# Altium PCB NG2094.PcbDoc (part 2 of 3)
Units mm, origin at the board's own origin, x right, y up, seen from the top; angles counter-clockwise.
Board outline 90 x 30.3 mm, 6 copper layers (Top Layer, Inner Layer 1, Ground 1, Inner Layer 2, Ground 2, Bottom Layer), stack 1.576 mm thick; 164 components, 128 nets, 718 pads, 672 vias.
Unrouted connection lines stored in the file: 11.
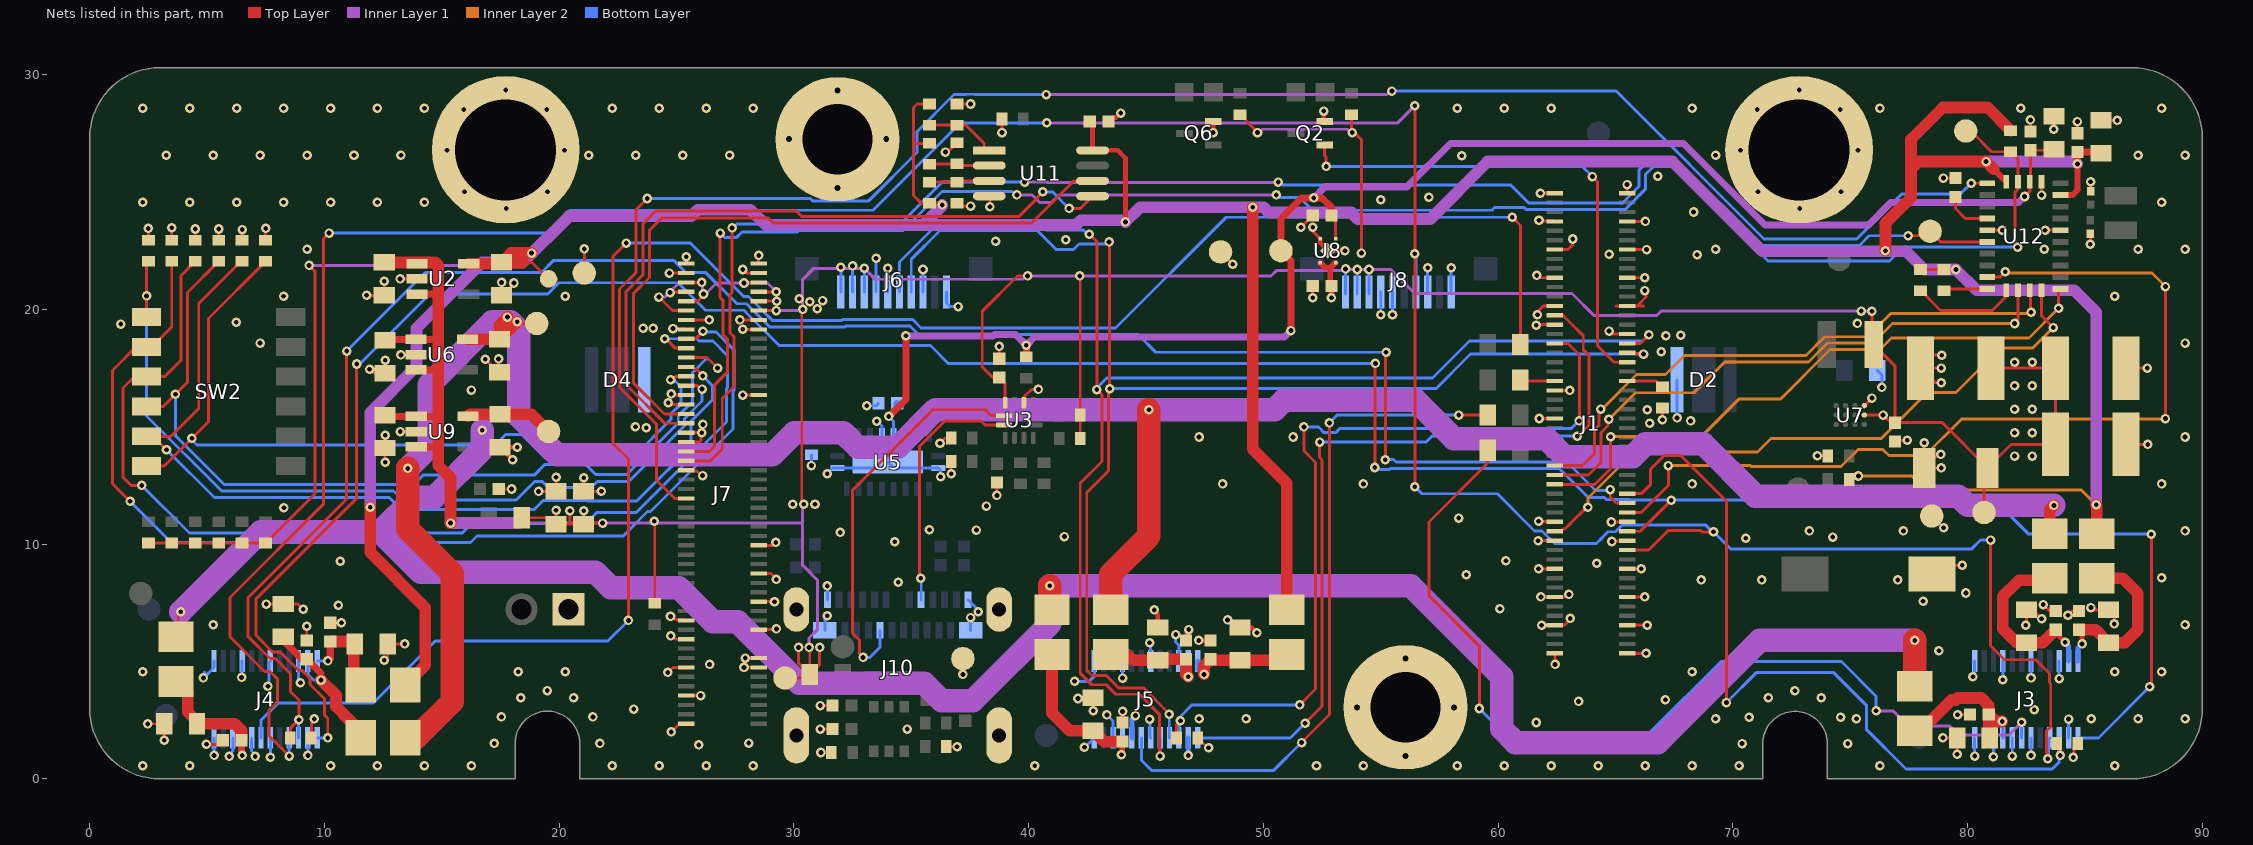
[diagram p6: the nets of this part, all layers, seen from the top]

## Part data (continued)
R78: library part ERJ-2RKF1782X, "RES SMD 17.8K OHM 1% 1/10W 0402 17.8 kOhms ±1% 0.1W, 1/10W Chip Resistor 0402 (1005 Metric) Automotive AEC-Q200 Thick Film", Case Code (Imperial)=0402, Case Code (Metric)=1005, Manufacturer 1=Panasonic, Max Operating Temperature=155°C, Max Power Dissipation=100mW, Min Operating Temperature=-55°C, Package Quantity=1, Resistance=17.8kR, Supplier Part Number 1=P17.8KLCT-ND, Temperature Coefficient=100ppm/°C, Tolerance=1%, Voltage Rating=50V, Case/Package=0402, ComponentLink1Description=https://datasheet.ciiva.com/24027/aoa0000ce2-24027013.pdf?src-supplier=Mouser, ComponentLink1URL=https://datasheet.ciiva.com/24027/aoa0000ce2-24027013.pdf?src-supplier=Mouser, ComponentLink2Description=https://datasheet.ciiva.com/46372/1678782-46372997.pdf?src-supplier=Element14, ComponentLink2URL=https://datasheet.ciiva.com/46372/1678782-46372997.pdf?src-supplier=Element14, ComponentLink3Description=https://datasheet.ciiva.com/28594/1694929-28594534.pdf?src-supplier=Element14, ComponentLink3URL=https://datasheet.ciiva.com/28594/1694929-28594534.pdf?src-supplier=Element14, ComponentLink4Description=https://datasheet.ciiva.com/46372/1678782-46372998.pdf?src-supplier=Element14, ComponentLink4URL=https://datasheet.ciiva.com/46372/1678782-46372998.pdf?src-supplier=Element14, ComponentLink5Description=https://datasheet.ciiva.com/22764/1678782-22764807.pdf?src-supplier=Farnell, ComponentLink5URL=https://datasheet.ciiva.com/22764/1678782-22764807.pdf?src-supplier=Farnell, ComponentLink6Description=https://datasheet.ciiva.com/16769/70260748-16769816.pdf?src-supplier=Allied+Electronics, ComponentLink6URL=https://datasheet.ciiva.com/16769/70260748-16769816.pdf?src-supplier=Allied+Electronics, ComponentLink7Description=https://datasheet.ciiva.com/30116/aoa0000ce2-30116554.pdf?src-supplier=Onlinecomponents.com, ComponentLink7URL=https://datasheet.ciiva.com/30116/aoa0000ce2-30116554.pdf?src-supplier=Onlinecomponents.com, ComponentLink8Description=https://datasheet.ciiva.com/16775/70260748-16775211.pdf?src-supplier=Allied+Electronics, ComponentLink8URL=https://datasheet.ciiva.com/16775/70260748-16775211.pdf?src-supplier=Allied+Electronics, ComponentLink9Description=https://datasheet.ciiva.com/43467/1678782-43467419.pdf?src-supplier=Farnell, ComponentLink9URL=https://datasheet.ciiva.com/43467/1678782-43467419.pdf?src-supplier=Farnell, ComponentLink10Description=https://datasheet.ciiva.com/22668/1678782-22668623.pdf?src-supplier=Element14, ComponentLink10URL=https://datasheet.ciiva.com/22668/1678782-22668623.pdf?src-supplier=Element14, Composition="Thick Film", Contact Plating=Tin, Depth=0.5mm, Features="Automotive AEC-Q200", Height=0.35mm, Lead Free="Lead Free", Length=1mm, Manufacturer Part Number 1=ERJ-2RKF1782X, Military Standard=Not, Mount="Surface Mount", Number of Terminations=2, Packaging="Tape and Reel", Power Rating=100mW, Pricing 1="1=0.10000, 10=0.04500, 100=0.01830, 1000=0.00823, 2500=0.00715, 5000=0.00590 (USD)", REACH SVHC=Unknown, RoHS=Yes, Stock 1=250542, Supplier 1=Digi-Key, Termination=SMD/SMT, Voltage Rating (DC)=50V, Width=0.02inch
SW1: library part DTSM-32N-V, "SWITCH TACTILE SMT 3.5mm * 6mm , brown 160gf", Manufacturer 1=Diptronics, Manufacturer Part Number 1=DTSM-32N-V-T/R, Max Operating Temperature=80°C, Min Operating Temperature=-30°C, Supplier Part Number 1=113-DTSM32NVTR, ComponentLink1Description=https://datasheet.ciiva.com/29188/708548-da-01-en-tastschalter-smd-dtsm-32n-v-tr-1600st-29188823.pdf?src-supplier=Conrad, ComponentLink1URL=https://datasheet.ciiva.com/29188/708548-da-01-en-tastschalter-smd-dtsm-32n-v-tr-1600st-29188823.pdf?src-supplier=Conrad, Height=5mm, Length=6mm, Pricing 1="1=0.38000, 10=0.38000, 50=0.31000, 100=0.28200, 500=0.25600, 1000=0.23600, 1600=0.20900, 4800=0.18800, 9600=0.17300, 10000=0.17300, 24000=0.16100 (USD)", RoHS=Yes, Stock 1=3199, Supplier 1=Mouser, Width=3.5mm
SW2: library part A6H-6102, "SWITCH SLIDE DIP SPST 25MA 24V (SEALED)", Case/Package=DIP, Contact Resistance=200mR, Current Rating=25mA, Manufacturer 1=Omron, Max Operating Temperature=70°C, Max Voltage Rating (DC)=24V, Min Operating Temperature=-20°C, Package Quantity=54, Supplier Part Number 1=SW1117-ND, Actuator Length=0mm, Actuator Type="Slide (Standard)", ComponentLink1Description=https://datasheet.ciiva.com/26883/getdatasheetpartid-744653-26883354.pdf?src-supplier=Verical, ComponentLink1URL=https://datasheet.ciiva.com/26883/getdatasheetpartid-744653-26883354.pdf?src-supplier=Verical, ComponentLink2Description=https://datasheet.ciiva.com/2864/a6h-1110-2864768.pdf?src-supplier=Digi-Key, ComponentLink2URL=https://datasheet.ciiva.com/2864/a6h-1110-2864768.pdf?src-supplier=Digi-Key, ComponentLink3Description=https://datasheet.ciiva.com/1529/611565-1529044.pdf?src-supplier=Element14, ComponentLink3URL=https://datasheet.ciiva.com/1529/611565-1529044.pdf?src-supplier=Element14, ComponentLink4Description=https://datasheet.ciiva.com/16198/a6h-1110-16198863.pdf?src-supplier=Onlinecomponents.com, ComponentLink4URL=https://datasheet.ciiva.com/16198/a6h-1110-16198863.pdf?src-supplier=Onlinecomponents.com, Depth=6.7mm, Electrical Life=1000Cycles, Height=1.55mm, Length=0.348inch, Manufacturer Part Number 1=A6H-6102, Max Current Rating=25mA, Mechanical Life=1000Cycles, Mount="Surface Mount", Number of Circuits=6, Number of Poles=4, Number of Positions=6, Orientation=Straight, Packaging=Rail/Tube, Pitch=0.05inch, Pricing 1="1=2.66000, 10=2.57900, 25=2.44640, 50=2.28700, 100=2.23380, 250=1.91468, 500=1.86148, 1000=1.59555, 5000=1.46259 (USD)", Radiation Hardening=No, REACH SVHC=Unknown, RoHS=Yes, Stock 1=3953, Supplier 1=Digi-Key, Supplier 2=Mouser, Supplier 3=Farnell, Supplier Part Number 2=653-A6H-6102, Supplier Part Number 3=1829491, Terminal Pitch=1.27mm, Termination="Gull Wing", Throw Configuration=SPST, Voltage Rating (DC)=24V, Washable=Yes, Weight=0.12g, Width=4.5mm
TP1 TP2 TP3 TP4 TP6 TP7 TP12 TP15 TP16 TP18 TP19 TP25 TP26 TP28 TP29 TP35 TP39: library part TEST_POINT
U2: "IC REG LINEAR 1.8V 200MA SC70-5 Linear Voltage Regulator IC  1 Output  200mA SC-70-5", Case/Package=SC, Dropout Voltage=175mV, Manufacturer 1="Texas Instruments", Manufacturer Part Number 1=TLV70018DCKR, Manufacturer Part Number 2=TLV70018DCKT, Max Input Voltage=5.5V, Max Operating Temperature=125°C, Max Output Current=200mA, Max Output Voltage=1.8V, Max Power Dissipation=320mW, Min Current Limit=220mA, Min Input Voltage=2V, Min Operating Temperature=-40°C, Nominal Supply Current=31uA, Output Voltage Accuracy=2%, Package Quantity=1, Quiescent Current=30uA, Supplier Part Number 1=296-32409-1-ND, Accuracy=2%, ComponentLink1Description=https://datasheet.ciiva.com/41462/001014631-da-01-en-ic-reg-ldo-1-8v-0-tlv70018dckr-sot-5-tid-41462480.pdf?src-supplier=Conrad, ComponentLink1URL=https://datasheet.ciiva.com/41462/001014631-da-01-en-ic-reg-ldo-1-8v-0-tlv70018dckr-sot-5-tid-41462480.pdf?src-supplier=Conrad, ComponentLink2Description=https://datasheet.ciiva.com/22700/1882059-22700171.pdf?src-supplier=Element14, ComponentLink2URL=https://datasheet.ciiva.com/22700/1882059-22700171.pdf?src-supplier=Element14, ComponentLink3Description=https://datasheet.ciiva.com/14149/tlv700-eng-ds-14149837.pdf?src-supplier=Distrelec, ComponentLink3URL=https://datasheet.ciiva.com/14149/tlv700-eng-ds-14149837.pdf?src-supplier=Distrelec, ComponentLink4Description=https://datasheet.ciiva.com/7992/1882059-7992894.pdf?src-supplier=Element14, ComponentLink4URL=https://datasheet.ciiva.com/7992/1882059-7992894.pdf?src-supplier=Element14, Contact Plating=Gold, Height=1mm, Lead Free="Lead Free", Length=2.15mm, Manufacturer 2="Texas Instruments", Min Output Voltage=1.8V, Nominal Output Voltage=1.8V, Number of Outputs=1, Number of Pins=5, Number of Regulators=1, Output Current=200mA, Output Type=Fixed, Output Voltage=1.8V, Packaging="Tape and Reel", Polarity=Positive, Power Dissipation=320mW, Power Rating=320mW, Pricing 1="1=0.48000, 10=0.40900, 100=0.30570, 500=0.24020, 1000=0.18561 (USD)", Pricing 2="1=0.55000, 10=0.46700, 100=0.34900 (USD)", Radiation Hardening=No, REACH SVHC="No SVHC", RoHS=Yes, Stock 1=63905, Stock 2=13188, Supplier 1=Digi-Key, Supplier 2=Digi-Key, Supplier Part Number 2=296-25269-1-ND, Width=1.4mm
U3: library part TUSB321RWBR, "IC USB PORT CONTROL TYPE-C 12X2Q", Manufacturer 1="Texas Instruments", Max Operating Temperature=70°C, Max Supply Voltage=5.5V, Min Operating Temperature=0°C, Min Supply Voltage=4.5V, Supplier Part Number 1=296-42400-1-ND, ComponentLink1Description=http://www.ti.com/general/docs/lit/getliterature.tsp?genericPartNumber=TUSB321&&fileType=pdf&src-supplier=Avnet+Asia, ComponentLink1URL=http://www.ti.com/general/docs/lit/getliterature.tsp?genericPartNumber=TUSB321&&fileType=pdf&src-supplier=Avnet+Asia, ComponentLink2Description=http://www.ti.com/general/docs/lit/getliterature.tsp?genericPartNumber=TUSB321&&fileType=pdf&src-supplier=Farnell, ComponentLink2URL=http://www.ti.com/general/docs/lit/getliterature.tsp?genericPartNumber=TUSB321&&fileType=pdf&src-supplier=Farnell, ComponentLink3Description=http://www.ti.com/lit/ds/symlink/tusb321.pdf?src-supplier=Digi-Key, ComponentLink3URL=http://www.ti.com/lit/ds/symlink/tusb321.pdf?src-supplier=Digi-Key, ComponentLink4Description=http://www.ti.com/general/docs/lit/getliterature.tsp?genericPartNumber=TUSB321&&fileType=pdf&src-supplier=Element14, ComponentLink4URL=http://www.ti.com/general/docs/lit/getliterature.tsp?genericPartNumber=TUSB321&&fileType=pdf&src-supplier=Element14, ComponentLink5Description=http://www.ti.com/general/docs/lit/getliterature.tsp?genericPartNumber=TUSB321&&fileType=pdf&src-supplier=Avnet, ComponentLink5URL=http://www.ti.com/general/docs/lit/getliterature.tsp?genericPartNumber=TUSB321&&fileType=pdf&src-supplier=Avnet, Contact Plating=Gold, Lead Free="Lead Free", Manufacturer Part Number 1=TUSB321RWBR, Mount="Surface Mount", Number of Pins=12, Number of Ports=1, Packaging="Tape and Reel", Pricing 1="1=2.27000, 10=2.04200, 100=1.64100, 500=1.34828, 1000=1.11714 (USD)", REACH SVHC="No SVHC", RoHS=Yes, Stock 1=7746, Supplier 1=Digi-Key, USB Standard="USB 3.1"
U5: library part HD3SS3212RKSR, "IC MUX 2:1 8 OHM 20VQFN", Case/Package=VQFN, Manufacturer 1="Texas Instruments", Max Operating Temperature=70°C, Max Supply Voltage=3.6V, Min Operating Temperature=0°C, Min Supply Voltage=3V, Supplier Part Number 1=296-42174-1-ND, Bandwidth=8GHz, ComponentLink1Description=http://www.ti.com/general/docs/lit/getliterature.tsp?genericPartNumber=HD3SS3212&&fileType=pdf&src-supplier=Avnet, ComponentLink1URL=http://www.ti.com/general/docs/lit/getliterature.tsp?genericPartNumber=HD3SS3212&&fileType=pdf&src-supplier=Avnet, ComponentLink2Description=http://www.ti.com/general/docs/lit/getliterature.tsp?genericPartNumber=HD3SS3212&amp;&amp;fileType=pdf&src-supplier=Farnell, ComponentLink2URL=http://www.ti.com/general/docs/lit/getliterature.tsp?genericPartNumber=HD3SS3212&amp;&amp;fileType=pdf&src-supplier=Farnell, ComponentLink3Description=http://www.ti.com/lit/ds/symlink/hd3ss3212.pdf?src-supplier=Digi-Key, ComponentLink3URL=http://www.ti.com/lit/ds/symlink/hd3ss3212.pdf?src-supplier=Digi-Key, ComponentLink4Description=http://www.ti.com/lit/gpn/hd3ss3212?src-supplier=Mouser, ComponentLink4URL=http://www.ti.com/lit/gpn/hd3ss3212?src-supplier=Mouser, ComponentLink5Description=http://www.ti.com/general/docs/lit/getliterature.tsp?genericPartNumber=HD3SS3212&&fileType=pdf&src-supplier=Element14, ComponentLink5URL=http://www.ti.com/general/docs/lit/getliterature.tsp?genericPartNumber=HD3SS3212&&fileType=pdf&src-supplier=Element14, Data Rate=480Mbps, Lead Free="Lead Free", Manufacturer Part Number 1=HD3SS3212RKSR, Mount=Standard, Number of Pins=20, Number of Ports=3, Packaging="Tape and Reel", Pricing 1="1=1.79000, 10=1.61000, 100=1.29440, 500=1.06348, 1000=0.88117 (USD)", REACH SVHC="No SVHC", RoHS=Yes, Stock 1=36674, Supplier 1=Digi-Key, USB Standard="USB 3.1"
U6: "IC REG LINEAR 1.2V 200MA SC70-5", Case/Package=SC, Dropout Voltage=175mV, Manufacturer 1="Texas Instruments", Manufacturer Part Number 1=TLV70012DCKR, Manufacturer Part Number 2=TLV70012DCKT, Max Input Voltage=5.5V, Max Operating Temperature=125°C, Max Output Current=200mA, Max Output Voltage=1.2V, Max Power Dissipation=320mW, Min Current Limit=220mA, Min Input Voltage=2V, Min Operating Temperature=-40°C, Output Voltage Accuracy=2%, Package Quantity=1, Quiescent Current=30uA, Supplier Part Number 1=296-27438-1-ND, Accuracy=2%, ComponentLink1Description=https://datasheet.ciiva.com/26909/tlv70012dckr-26909420.pdf?src-supplier=IIIC, ComponentLink1URL=https://datasheet.ciiva.com/26909/tlv70012dckr-26909420.pdf?src-supplier=IIIC, ComponentLink2Description=https://datasheet.ciiva.com/46448/1836520-46448747.pdf?src-supplier=Element14, ComponentLink2URL=https://datasheet.ciiva.com/46448/1836520-46448747.pdf?src-supplier=Element14, ComponentLink3Description=http://components.arrow.com/part/dataview/48874348S9524109N7713?src-supplier=Arrow, ComponentLink3URL=http://components.arrow.com/part/dataview/48874348S9524109N7713?src-supplier=Arrow, ComponentLink4Description=http://components.arrow.com/part/dataview/0323_02210905?src-supplier=Arrow+Europe, ComponentLink4URL=http://components.arrow.com/part/dataview/0323_02210905?src-supplier=Arrow+Europe, ComponentLink5Description=http://www.ti.com/general/docs/lit/getliterature.tsp?genericPartNumber=TLV700&&fileType=pdf&src-supplier=Avnet, ComponentLink5URL=http://www.ti.com/general/docs/lit/getliterature.tsp?genericPartNumber=TLV700&&fileType=pdf&src-supplier=Avnet, ComponentLink6Description=http://focus.ti.com/lit/ds/symlink/tlv70033.pdf?src-supplier=Avnet, ComponentLink6URL=http://focus.ti.com/lit/ds/symlink/tlv70033.pdf?src-supplier=Avnet, ComponentLink7Description=http://www.ti.com/lit/ds/slvsa00e/slvsa00e.pdf?src-supplier=Digi-Key, ComponentLink7URL=http://www.ti.com/lit/ds/slvsa00e/slvsa00e.pdf?src-supplier=Digi-Key, ComponentLink8Description=http://www.ti.com/litv/slvsa00d?src-supplier=Mouser, ComponentLink8URL=http://www.ti.com/litv/slvsa00d?src-supplier=Mouser, Contact Plating=Gold, Lead Free="Lead Free", Manufacturer 2="Texas Instruments", Min Output Voltage=1.2V, Nominal Output Voltage=1.2V, Number of Outputs=1, Number of Pins=5, Number of Regulators=1, Output Current=200mA, Output Type=Fixed, Output Voltage=1.2V, Packaging="Tape and Reel", Polarity=Positive, Power Dissipation=320mW, Pricing 1="1=0.48000, 10=0.40900, 100=0.30570, 500=0.24020, 1000=0.18561 (USD)", Pricing 2="1=0.43000, 10=0.38000, 25=0.35000, 100=0.30000, 250=0.27000, 500=0.21000, 750=0.16000, 1000=0.14000 (USD)", Radiation Hardening=No, REACH SVHC="No SVHC", RoHS=Yes, Stock 1=8389, Stock 2=250, Supplier 1=Digi-Key, Supplier 2="TI store", Supplier Part Number 2=TLV70012DCKT
U7: library part LM3644, "LED Driver, 2-Segment, PBGA12", Manufacturer 1="Texas Instruments", Max Operating Temperature=85°C, Max Supply Voltage=5.5V, Min Operating Temperature=-40°C, Min Supply Voltage=2.5V, Package Body Material=Plastic, Package Code=VFBGA, Package Shape=Rectangular, Package Style="GRID ARRAY, VERY THIN PROFILE, FINE PITCHMeter", Peak Reflow Temperature (Cel)=260°C, Supply Voltage-Nom=3.6V, Temperature Grade=INDUSTRIAL, Category="LED Drivers", ComponentLink1Description=https://www.ti.com:443/lit/ds/symlink/lm3644.pdf?src-supplier=IHS+Markit, ComponentLink1URL=https://www.ti.com:443/lit/ds/symlink/lm3644.pdf?src-supplier=IHS+Markit, ComponentLink2Description=https://datasheet.ciiva.com/48475/lm3644-48475318.pdf?src-supplier=Avnet, ComponentLink2URL=https://datasheet.ciiva.com/48475/lm3644-48475318.pdf?src-supplier=Avnet, Data Input Mode=SERIAL, Height - Seated (Max)=0.625mm, Interface IC Type="LED DISPLAY DRIVER", JESD-609 Code=e1, Length=1.66mm, Manufacturer Part Number 1=LM3644YFFR, Moisture Sensitivity Level=1, Multiplexed Display Capability=No, Number of Functions=1, Number of Pins=12, Number of Segments=2, Pricing 1="1=0,64580, 10=0,63600, 25=0,62590, 100=0,61590, 250=0,60610, 500=0,59600, 1000=0,58600, 3000=0,35000, 30000=0,34520, 300000=0,31610, 1500000=0,29870, 3000000=0,29850 (USD)", REACH SVHC=Yes, RoHS=Yes, RoHS Compliant=Yes, Stock 1=2033, Supplier 1="Arrow Electronics", Supplier Part Number 1=LM3644YFFR, Surface Mount=Yes, Terminal Finish=Copper, Terminal Form=Ball, Terminal Pitch=0.4mm, Terminal Position=BOTTOM, Width=1.28mm
U8: "IC REG LINEAR 3.3V 200MA 4X2SON Linear Voltage Regulator IC  1 Output  200mA 4-X2SON (1x1)", Dropout Voltage=250mV, Manufacturer 1="Texas Instruments", Manufacturer Part Number 1=TLV70710DQN, Max Operating Temperature=125°C, Min Current Limit=240mA, Min Operating Temperature=-40°C, Output Current=200mA, Output Voltage=1V, Package Quantity=3000, Quiescent Current=25uA, Supplier Part Number 1=296-37706-1-ND, ComponentLink1Description=http://www.ti.com/lit/gpn/tlv707?src-supplier=Mouser, ComponentLink1URL=http://www.ti.com/lit/gpn/tlv707?src-supplier=Mouser, ComponentLink2Description=http://www.ti.com/lit/ds/symlink/tlv707.pdf?src-supplier=Digi-Key, ComponentLink2URL=http://www.ti.com/lit/ds/symlink/tlv707.pdf?src-supplier=Digi-Key, Lead Free="Lead Free", Mount="Surface Mount", Number of Regulators=1, Packaging="Tape and Reel", RoHS=Yes, Supplier 1=Digi-Key, Supplier 2=Digi-Key, Supplier Part Number 2=296-28355-1-ND
U9: "IC REG LINEAR 2.8V 200MA SC70-5 Linear Voltage Regulator IC  1 Output  200mA SC-70-5", Case/Package=SC, Dropout Voltage=175mV, Manufacturer 1="Texas Instruments", Manufacturer Part Number 1=TLV70028DCKT, Manufacturer Part Number 2=TLV70028DCKR, Max Input Voltage=5.5V, Max Operating Temperature=125°C, Max Output Current=200mA, Max Output Voltage=2.8V, Max Power Dissipation=320mW, Min Current Limit=220mA, Min Input Voltage=2V, Min Operating Temperature=-40°C, Nominal Supply Current=31uA, Output Voltage Accuracy=2%, Package Quantity=1, Quiescent Current=30uA, Supplier Part Number 1=296-39279-1-ND, Accuracy=2%, ComponentLink1Description=https://datasheet.ciiva.com/14149/tlv700-eng-ds-14149840.pdf?src-supplier=Distrelec, ComponentLink1URL=https://datasheet.ciiva.com/14149/tlv700-eng-ds-14149840.pdf?src-supplier=Distrelec, ComponentLink2Description=https://datasheet.ciiva.com/22700/1882059-22700172.pdf?src-supplier=Element14, ComponentLink2URL=https://datasheet.ciiva.com/22700/1882059-22700172.pdf?src-supplier=Element14, ComponentLink3Description=http://components.arrow.com/part/dataview/0323_00585634?src-supplier=Arrow+Europe, ComponentLink3URL=http://components.arrow.com/part/dataview/0323_00585634?src-supplier=Arrow+Europe, ComponentLink4Description=http://focus.ti.com/lit/ds/symlink/tlv70033.pdf?src-supplier=Avnet+Europe, ComponentLink4URL=http://focus.ti.com/lit/ds/symlink/tlv70033.pdf?src-supplier=Avnet+Europe, ComponentLink5Description=http://www.ti.com/lit/ds/slvsa00d/slvsa00d.pdf?src-supplier=Digi-Key, ComponentLink5URL=http://www.ti.com/lit/ds/slvsa00d/slvsa00d.pdf?src-supplier=Digi-Key, ComponentLink6Description=http://www.ti.com/lit/pdf/slyy050?src-supplier=Digi-Key, ComponentLink6URL=http://www.ti.com/lit/pdf/slyy050?src-supplier=Digi-Key, ComponentLink7Description=http://www.ti.com/general/docs/lit/getliterature.tsp?genericPartNumber=TLV700&&fileType=pdf&src-supplier=Avnet+Asia, ComponentLink7URL=http://www.ti.com/general/docs/lit/getliterature.tsp?genericPartNumber=TLV700&&fileType=pdf&src-supplier=Avnet+Asia, ComponentLink8Description=http://www.ti.com/general/docs/lit/getliterature.tsp?genericPartNumber=TLV700&&fileType=pdf&src-supplier=Avnet, ComponentLink8URL=http://www.ti.com/general/docs/lit/getliterature.tsp?genericPartNumber=TLV700&&fileType=pdf&src-supplier=Avnet, ComponentLink9Description=http://components.arrow.com/part/dataview/48329233S8322732N7713?src-supplier=Arrow, ComponentLink9URL=http://components.arrow.com/part/dataview/48329233S8322732N7713?src-supplier=Arrow, ComponentLink10Description=http://www.ti.com/litv/slvsa00d?src-supplier=Mouser, ComponentLink10URL=http://www.ti.com/litv/slvsa00d?src-supplier=Mouser, ComponentLink11Description=http://www.ti.com/lit/ds/slvsa00e/slvsa00e.pdf?src-supplier=Digi-Key, ComponentLink11URL=http://www.ti.com/lit/ds/slvsa00e/slvsa00e.pdf?src-supplier=Digi-Key, Contact Plating=Gold, Height=1mm, Lead Free="Lead Free", Length=2.15mm, Manufacturer 2="Texas Instruments", Max Supply Voltage=5.5V, Min Output Voltage=2.8V, Min Supply Voltage=2V, Nominal Output Voltage=2.8V, Number of Outputs=1, Number of Pins=5, Number of Regulators=1, Output Current=200mA, Output Type=Fixed, Output Voltage=2.8V, Packaging="Tape and Reel", Polarity=Positive, Power Dissipation=320mW, Power Rating=320mW, Pricing 1="1=0.55000, 10=0.46700, 100=0.34900 (USD)", Pricing 2="1=0.48000, 10=0.40900, 100=0.30570, 500=0.24020, 1000=0.18561 (USD)", Radiation Hardening=No, REACH SVHC="No SVHC", RoHS=Yes, Stock 1=832, Stock 2=30013, Supplier 1=Digi-Key, Supplier 2=Digi-Key, Supplier Part Number 2=296-25271-1-ND, Termination=SMD/SMT, Width=1.4mm
U11: library part 24AA32A-I/MS, "IC EEPROM 32K I2C 400KHZ 8MSOP Memory IC 32Kb (4K x 8) I²C 400kHz 900ns 8-MSOP", Case/Package=MSOP, Frequency=400kHz, Manufacturer 1=Microchip, Max Operating Temperature=85°C, Max Supply Voltage=5.5V, Min Operating Temperature=-40°C, Min Supply Voltage=1.7V, Nominal Supply Current=3mA, Package Quantity=100, Supplier Part Number 1=24AA32A-I/MS-ND, Access Time=3500ns, ComponentLink1Description=https://datasheet.ciiva.com/16309/filehandler-aspxddocname-en011853-16309808.pdf?src-supplier=Future+Electronics, ComponentLink1URL=https://datasheet.ciiva.com/16309/filehandler-aspxddocname-en011853-16309808.pdf?src-supplier=Future+Electronics, ComponentLink2Description=https://datasheet.ciiva.com/16621/21713l-16621382.pdf?src-supplier=Avnet+Europe, ComponentLink2URL=https://datasheet.ciiva.com/16621/21713l-16621382.pdf?src-supplier=Avnet+Europe, ComponentLink3Description=https://datasheet.ciiva.com/3185/21713l-3185209.pdf?src-supplier=Avnet, ComponentLink3URL=https://datasheet.ciiva.com/3185/21713l-3185209.pdf?src-supplier=Avnet, ComponentLink4Description=https://datasheet.ciiva.com/1154/1688094-1154810.pdf?src-supplier=Element14, ComponentLink4URL=https://datasheet.ciiva.com/1154/1688094-1154810.pdf?src-supplier=Element14, ComponentLink5Description=https://datasheet.ciiva.com/41454/001085239-da-01-en-ic-eeprom-32kbit-24aa32a-i-ms-msop-8-mcp-41454934.pdf?src-supplier=Conrad, ComponentLink5URL=https://datasheet.ciiva.com/41454/001085239-da-01-en-ic-eeprom-32kbit-24aa32a-i-ms-msop-8-mcp-41454934.pdf?src-supplier=Conrad, Contact Plating=Tin,Matte, Density=32Kb, Height=0.85mm, Interface=I2C,Serial,2-Wire, Lead Free="Lead Free", Length=3mm, Manufacturer Part Number 1=24AA32A-I/MS, Max Frequency=400kHz, Memory Size=32Kb, Memory Type=EEPROM, Mount="Surface Mount", Number of Pins=8, Packaging=Rail/Tube, Pricing 1="1=0.39000, 25=0.38120, 100=0.36050 (USD)", Radiation Hardening=No, REACH SVHC="No SVHC", RoHS=Yes, Stock 1=4213, Supplier 1=Digi-Key, Supplier 2=Mouser, Supplier 3=Newark, Supplier Part Number 2=579-24AA32A-I/MS, Supplier Part Number 3=38AH9658, Width=3mm
U12: "IMU ACCEL/GYRO/MAG I2C 32BIT", Case/Package=LGA, Manufacturer 1="Hillcrest Laboratories", Max Operating Temperature=85°C, Min Operating Temperature=-40°C, Supplier Part Number 1=1888-1006-1-ND, Category="Inertial Measurement Units (IMUs)", ComponentLink1Description=https://www.hillcrestlabs.com/downloads/bno080-datasheet?src-supplier=Digi-Key, ComponentLink1URL=https://www.hillcrestlabs.com/downloads/bno080-datasheet?src-supplier=Digi-Key, ComponentLink2Description=https://www.hillcrestlabs.com/downloads/bno080-migration-guide?src-supplier=Digi-Key, ComponentLink2URL=https://www.hillcrestlabs.com/downloads/bno080-migration-guide?src-supplier=Digi-Key, Manufacturer Part Number 1=BNO085, Mount="Surface Mount", Output Type=SPI,I2C, Packaging="Tape and Reel", Pricing 1="1=11.85000, 5=10.31200, 10=9.28100, 25=8.25000, 50=7.63120, 100=6.60000, 500=6.18750, 1000=5.77500 (USD)", RoHS=No, Sensor Type=Accelerometer,Gyroscope,Magnetometer, Stock 1=11593, Supplier 1=Digi-Key
Y1: "CRYSTAL 32.768kHz ±20ppm Crystal 12.5pF 90 kOhms 2-SMD, No Lead", Case/Package=SMD/SMT, ESR (Equivalent Series Resistance)=90kR, Frequency=32.768kHz, Frequency Tolerance=20ppm, Load Capacitance=12.5pF, Manufacturer 1=Abracon, Max Operating Temperature=85°C, Min Operating Temperature=-40°C, Supplier Part Number 1=535-14513-1-ND, ComponentLink1Description=http://www.farnell.com/datasheets/2614114.pdf?src-supplier=Farnell, ComponentLink1URL=http://www.farnell.com/datasheets/2614114.pdf?src-supplier=Farnell, ComponentLink2Description=https://abracon.com/datasheets/ABS06-127-32.768kHz-T.pdf?src-supplier=Digi-Key, ComponentLink2URL=https://abracon.com/datasheets/ABS06-127-32.768kHz-T.pdf?src-supplier=Digi-Key, ComponentLink3Description=http://www.farnell.com/datasheets/2614114.pdf?src-supplier=Newark, ComponentLink3URL=http://www.farnell.com/datasheets/2614114.pdf?src-supplier=Newark, Manufacturer Part Number 1=ABS06-127-32.768KHZ-T, Mount="Surface Mount", Packaging="Tape and Reel", Pricing 1="1=0.69000, 10=0.60700, 50=0.56760, 100=0.50160, 500=0.47520, 1000=0.39600 (USD)", RoHS=Yes, Stock 1=1640, Supplier 1=Digi-Key, Supplier 2=Digi-Key, Supplier 3=Mouser, Supplier 4=Verical, Supplier Part Number 2=535-14513-6-ND, Supplier Part Number 3=815-ABS0612732.768KT, Supplier Part Number 4=ABS06-127-32.768KHZ-T

## Free pads (board coordinates)
  round 6.3 / inner round 5.5 / far side round 6.3 hole 4.3 unplated: 4(17.725,26.8) 4(72.825,26.8)

## Via types
v1: diameter 0.406, hole 0.203, Top Layer to Bottom Layer, tented both sides, 664 vias
v2: diameter 0.508, hole 0.254, Top Layer to Bottom Layer, 8 vias

## Nets (pads, with @x,y where several pads share a name; then routed paths per layer and width w, separated by ;. In a path a pad name is that pad's centre, name@x,y a point inside that pad or via, vN(x,y) a via of type N, cw(c..) or ccw(c..) an arc to the next point about the centre after c; other vN are vias at no path point)
1V2: C33.2 FB7.1 FB10.1 FB14.1 TP12.1 U6.5 | length 110.8
  Top Layer w0.125: v1@18.214,19.386 v1(18.214,19.475) ; v1@18.29,19.475 18.365,19.4 TP12.1@19.05,19.4
  Top Layer w0.5: U6.5@16.1,18.725 C33.2@17.464,18.725 ; v1(17.8,19.675) 17.464,19.339 C33.2@17.464,18.725 ; v1(18.214,19.475) C33.2@17.464,18.725 ; FB10.1@83.5,10.45 83.5,11.475 v1(83.675,11.65)
  Top Layer w1: FB14.1@13.45,1.75 13.908,1.75 15.45,3.292 15.45,8.75 13.55,10.65 v1(13.55,13.225) ; FB7.1@43.5,7.2 43.5,8.725 45.125,10.35 v1(45.125,15.725)
  Inner Layer 1 w1: v1(13.55,13.225) 14.475,14.15 14.475,16.8 17.15,19.475 17.925,19.475 18.275,19.125 18.275,15.45 19.925,13.8 29.075,13.8 30.013,14.737 32.112,14.737 32.725,14.125 34.425,14.125 36.034,15.734 50.484,15.734 50.875,16.125 56.487,16.125 58.112,14.5 62.065,14.5 62.84,13.725 65.725,13.725 66.275,14.275 68.738,14.275 70.962,12.05 79.6,12.05 80,11.65 v1(83.675,11.65)
1V2_C: C71.2 C72.2 FB7.2 J5.2 | length 4.8
  Top Layer w0.5: FB7.2@43.5,5.3 44.2,5.3 44.45,5.05 C72.2@45.5,5.05 45.55,5.1 C71.2@46.7,5.1 46.7,4.452 v1(46.8,4.352)
  Bottom Layer w0.2: v1(46.8,4.352) J5.2@46.8,5.025
1V2_L: C85.2 C86.2 FB14.2 J4.2 | length 8.6
  Top Layer w0.125: v1@9.823,4.178 9.823,4.527 ; 10.65,2.65 FB14.2@11.55,1.75
  Top Layer w0.3: C86.2@8.25,6.05 8.25,5.9 9.05,5.1 C85.2@9.25,5.1 9.823,4.527 9.856,4.494 v1(9.856,4.212)
  Top Layer w0.5: v1(9.856,4.212) 10.5,3.568 10.5,3.084 11.55,2.034 FB14.2@11.55,1.75
  Bottom Layer w0.125: J4.2@9.3,5.025 9.3,4.452 9.541,4.212 v1(9.856,4.212)
1V2_R: C77.2 C78.2 FB10.2 J3.2 | length 8
  Top Layer w0.2: C77.2@83.75,6.35 83.75,6.225 v1(84.15,5.825)
  Top Layer w0.5: FB10.2@83.5,8.55 83.413,8.463 82.188,8.463 81.5,7.775 81.5,6.4 82.1,5.8 C78.2@82.5,5.8 83.2,5.8 C77.2@83.75,6.35
  Bottom Layer w0.2: v1(84.15,5.825) 84.3,5.675 J3.2@84.3,5.025
1V8: C18.2 C70.2 C93.2 C94.2 FB6.1 FB9.1 FB13.1 R2.2 R7.2 R8.2 R9.2 R10.2 R11.2 R14.2 R21.2 R22.2 R23.2 R43.2 R51.1 R54.1 TP1.1 U2.5 U11.8 U12.5 U12.28 | length 201
  Top Layer w0.125: R7.2@2.5,10.05 R8.2@3.5,10.05 R9.2@4.5,10.05 R10.2@5.5,10.05 R11.2@6.5,10.05 R14.2@7.5,10.05 9.6,12.15 9.6,21.625 v1(9.35,21.875) ; 18.45,22 18.85,22 TP1.1@19.55,21.3 ; R22.2@35.775,27.075 35.15,27.075 35.1,27.025 ; R21.2@35.775,28.75 35.25,28.75 35.1,28.6 35.1,27.025 ; v1(36.322,24.45) 36.247,24.525 R23.2@35.775,24.525 35.425,24.525 35.1,24.85 35.1,27.025 ; R2.2@74.95,12.75 75.103,12.903 v1(75.35,12.903) ; R54.1@78,21.7 R51.1@79,21.7 v1(79.5,21.7)
  Top Layer w0.2: C70.2@42.6,28 42.725,27.875 U11.8@42.725,26.775 43.8,26.775 44.125,26.45 v1(44.125,23.725)
  Top Layer w0.25: 81.117,25.967 U12.5@81.648,25.437 ; U12.28@83.96,24.874 84.474,24.874 84.675,25.075 v1(84.675,26.199)
  Top Layer w0.3: v1(84.675,26.199) C94.2@84.675,26.7 85.625,26.7 C93.2@85.675,26.65
  Top Layer w0.5: v1(11.95,11.569) 11.95,9.65 14.3,7.3 14.3,4.85 FB13.1@13.45,4 ; U2.5@16.15,21.95 C18.2@17.55,21.95 ; C18.2@17.55,22 17.95,22.4 v1(18.825,22.4) ; C18.2@17.65,22 18.45,22 ; v1(49.55,24.35) 49.55,14.05 51,12.6 FB6.1@51,7.2 ; v1(76.5,22.5) 76.5,23.675 77.588,24.763 77.588,25.963 ; 81.117,25.967 v1(80.784,26.3) 77.925,26.3 77.588,25.963 ; R43.2@81.832,27.617 80.849,28.6 78.95,28.6 77.588,27.237 77.588,25.963 ; v1(85.475,11.675) 85.5,11.65 FB9.1@85.5,10.45
  Inner Layer 1 w0.125: v1(9.35,21.875) 16.6,21.875
  Inner Layer 1 w0.5: v1(11.95,11.569) 11.95,15.6 13.925,17.575 13.925,19.2 16.6,21.875 16.725,22 18.45,22 20.425,23.975 25.625,23.975 25.9,24.25 28.15,24.25 28.8,23.6 35.5,23.6 ; v1(36.322,24.45) 36.322,24.422 35.5,23.6 ; v1(80.784,26.3) 84.574,26.3 v1(84.675,26.199) ; v1(85.475,11.675) 85.475,19.875 84.538,20.812 80.388,20.812 v1(79.5,21.7) 78.15,21.7 77.375,22.475 71.25,22.475 67.425,26.3 59.55,26.3 57.1,23.85 54.025,23.85 53.75,24.125 50.238,24.125 50.013,24.35 v1(49.55,24.35) 44.75,24.35 v1(44.125,23.725) 44.05,23.8 42.225,23.8 42.025,23.6 35.5,23.6
  Inner Layer 2 w0.125: v1(75.35,12.903) 77.622,12.903 78.225,12.3 84.85,12.3 v1(85.475,11.675)
1V8_C: C73.2 C74.2 FB6.2 J5.1 | length 4.8
  Top Layer w0.5: v1(47.475,4.453) 47.475,4.825 C73.2@47.75,5.1 47.8,5.05 C74.2@49,5.05 50.75,5.05 FB6.2@51,5.3
  Bottom Layer w0.2: J5.1@47.2,5.025 47.2,4.68 47.427,4.453 v1(47.475,4.453)
1V8_L: C87.2 C88.2 FB13.2 J4.1 | length 4.3
  Top Layer w0.3: v1(10.15,5.025) 10.25,5.125 C87.2@10.25,5.85
  Top Layer w0.5: C87.2@10.25,5.85 11.2,5.85 11.25,5.8 11.25,4.3 FB13.2@11.55,4
  Bottom Layer w0.125: J4.1@9.7,5.025 v1(10.15,5.025)
1V8_R: C79.2 C80.2 FB9.2 J3.1 | length 8
  Top Layer w0.2: C79.2@84.75,6.35 84.875,6.225 v1(84.875,5.75)
  Top Layer w0.5: C79.2@84.75,6.35 85.45,6.35 C80.2@86,5.8 86.7,5.8 87.25,6.35 87.25,7.9 86.6,8.55 FB9.2@85.5,8.55
  Bottom Layer w0.2: J3.1@84.7,5.025 84.7,5.575 v1(84.875,5.75)
2V8: C67.2 FB5.1 FB8.1 FB11.1 TP16.1 U9.5 | length 101.9
  Top Layer w0.125: FB11.1@3.675,6.05 3.775,6.15 3.775,7.227 v1(3.886,7.116)
  Top Layer w0.5: U9.5@16.114,15.446 16.199,15.531 C67.2@17.487,15.531 18.819,15.531 TP16.1@19.55,14.8
  Top Layer w1: v1(40.9,8.225) 40.9,7.3 FB5.1@41,7.2 ; FB8.1@77.75,3.95 v1(77.75,5.9)
  Inner Layer 1 w1: v1(3.886,7.116) 7.295,10.525 12.375,10.525 ; v1(16.725,14.85) 16.731,14.844 16.731,14.055 14.676,12 13.85,12 12.375,10.525 ; v1(77.75,5.9) 71.15,5.9 66.8,1.55 60.736,1.55 60.15,2.136 60.15,4.35 56.275,8.225 v1(40.9,8.225) 40.9,6.6 37.625,3.325 36.3,3.325 35.55,4.075 30.225,4.075 27.6,6.7 26.55,6.7 25.1,8.15 22.2,8.15 21.55,8.8 14.1,8.8 12.375,10.525
2V8_C: C75.2 C76.2 FB5.2 J5.16 | length 7.3
  Top Layer w0.2: v1(43.956,1.027) 43.978,1.049 C75.2@43.978,1.578
  Top Layer w0.5: FB5.2@41,5.3 41,2.8 41.75,2.05 C76.2@42.75,2.05 43.222,1.578 C75.2@43.978,1.578
  Bottom Layer w0.2: v1(43.956,1.027) 43.985,1.056 43.985,1.73 J5.16@44,1.745
2V8_L: C89.2 C90.2 FB11.2 J4.16 | length 6.1
  Top Layer w0.3: C89.2@6.475,1.65 6.475,1.025 v1(6.5,1)
  Top Layer w0.5: FB11.2@3.675,4.15 3.775,4.15 4.175,3.75 4.175,2.85 4.575,2.45 C90.2@4.575,2.35 6.175,2.35 6.475,2.05 C89.2@6.475,1.65
  Bottom Layer w0.125: v1(6.5,1) J4.16@6.5,1.745
2V8_R: C81.2 C84.2 FB8.2 J3.16 | length 6.6
  Top Layer w0.5: FB8.2@77.816,2.05 78,2.05 79.31,3.36 79.495,3.36 79.585,3.45 80.575,3.45 80.9,3.125 C81.2@80.9,2.75 ; C84.2@80.95,1.75 80.9,1.8 C81.2@80.9,2.75 ; v1(81.475,2.45) 81.2,2.45 C81.2@80.9,2.75
  Bottom Layer w0.125: v1(81.475,2.45) 81.5,2.425 J3.16@81.5,1.745
3V3: C62.2 C63.2 C91.2 C92.2 R58.2 TP15.1 U5.6 U8.1 U12.3 | length 68.1
  Top Layer w0.125: C63.2@52.9,24 53.08,23.82 U8.1@53.08,23.01 ; v1(82.425,24.81) 82.648,25.033 U12.3@82.648,25.437 82.673,25.462 C92.2@82.673,26.779 83.623,26.779 C91.2@83.673,26.829
  Top Layer w0.3: v1(34.047,15.44) 34.775,16.169 v1(34.775,18.875) ; R58.2@39.9,17.975 v1(39.9,18.475) ; v1(51.175,19.1) 51.175,22.075 TP15.1@50.75,22.5 50.75,23.875 51.625,24.75 v1(52.15,24.75) 52.5,24.75 52.9,24.35 C63.2@52.9,24
  Inner Layer 1 w0.3: v1(34.775,18.875) 38.489,18.875 38.542,18.928 39.447,18.928 v1(39.9,18.475) 40.25,18.825 50.9,18.825 v1(51.175,19.1) ; v1(52.15,24.75) 52.625,25.225 56.125,25.225 57.975,27.075 67.9,27.075 71.375,23.6 75.775,23.6 76.725,24.55 82.165,24.55 v1(82.425,24.81)
  Bottom Layer w0.125: v1(34.047,15.44) 34.047,15.453 34.025,15.475 34.025,15.45 34.25,15.225 U5.6@34.25,14.65
  Bottom Layer w0.3: v1(34.047,15.44) 34.4,15.794 C62.2@34.4,16
5V: C2.1 C4.1 C5.2 C6.1 C7.1 C17.2 C23.2 C25.2 C64.2 C66.2 C103.2 C106.2 J6.1 J6.2 J6.3 J7.5 J7.6 J7.7 J7.8 J7.9 J7.10 J7.11 J7.12 J8.1 J8.2 J8.3 L5.1 R1.2 R5.2 R12.2 R69.2 R75.2 R76.2 R108.2 TP2.1 TP7.1 U2.1 U2.3 U3.12 U6.1 U6.3 U7.A2 U8.3 U8.4 U9.1 U9.3 | length 185.3
  Top Layer w0.125: C66.2@12.589,15.496 13.864,15.496 U9.1@13.914,15.446 ; C25.2@12.589,18.689 13.864,18.689 U6.1@13.9,18.725 ; R1.2@18.4,11.125 19.593,11.125 C23.2@19.87,10.847 ; v1(19.87,11.445) C23.2@19.87,10.847 ; v1(20.459,11.419) 20.459,10.85 ; v1(21.044,11.419) C5.2@21.044,10.85 ; v1(21.85,10.9) 21.094,10.9 C5.2@21.044,10.85 ; v1(24.05,10.975) 24.075,10.95 R12.2@24.075,7.475 ; v1(24.25,20.525) 24.825,19.95 J7.12@25.42,19.95 ; v1(24.725,20.719) 24.741,20.735 25.404,20.735 J7.8@25.42,20.75 ; J7.10@25.42,20.35 25.925,20.35 25.958,20.383 25.958,20.402 26.15,20.595 v1(26.15,20.656) ; J7.6@25.42,21.15 v1(26.075,21.15) ; v1(27.875,21.125) 28.475,21.125 J7.5@28.5,21.15 ; J7.11@28.5,19.95 v1(29.25,19.95) ; J7.9@28.5,20.35 v1(29.275,20.35) ; J7.7@28.5,20.75 v1(29.25,20.75) ; TP2.1@29.625,4.3 30.525,4.3 R75.2@30.675,4.45 ; v1(30.2,5.6) 30.2,4.925 R75.2@30.675,4.45 ; v1@30.334,11.867 30.334,19.959 v1(30.375,20) ; v1(30.65,5.6) 30.675,5.575 R75.2@30.675,4.45 ; v1(31.1,5.6) 31.1,4.875 R75.2@30.675,4.45 ; U3.12@39,16.025 39,16.85 C103.2@38.75,17.1 38.475,17.1 38.025,17.55 38.025,19.925 39.525,21.425 v1(39.953,21.425) ; v1(42.175,21.425) 42.2,21.4 R76.2@42.2,15.5 R69.2@42.2,14.5 ; R108.2@49,28.3 49.75,27.55 v1(49.75,27.534) ; R5.2@53.75,28.3 53.75,27.568 v1(53.784,27.535) ; v1@53.824,27.576 54.175,27.225 v1(54.175,22.4) ; U7.A2@75.6,15.5 v1(76.4,15.5) C106.2@76.8,15.1 ; v1(75.925,19.925) 75.925,18.575 L5.1@76,18.5 76.9,17.6 C106.2@76.9,15.175 78.925,15.175 C7.1@80.85,13.25 ; TP7.1@80.7,11.35 80.7,13.1 C7.1@80.85,13.25 ; C4.1@81,17.5 C2.1@83.75,17.5 C6.1@83.75,14.25 81.85,14.25 C7.1@80.85,13.25 ; C23.2@19.87,10.847 19.873,10.85 20.459,10.85 ; 20.459,10.85 C5.2@21.044,10.85
  Top Layer w0.25: U8.3@52.42,21.99 52.635,21.775 52.85,21.775 ; v1(52.9,20.497) C64.2@52.9,21 52.85,21.05 52.85,21.775 ; U8.4@53.08,21.99 53.065,21.99 52.85,21.775
  Top Layer w0.3: C66.2@12.589,15.496 12.639,15.446 U9.1@13.914,15.446 14.791,15.446 14.85,15.388 ; C25.2@12.589,18.689 12.625,18.725 U6.1@13.9,18.725 14.825,18.725 ; U6.3@13.9,17.425 14.85,17.425 ; U9.3@13.914,14.146 14.829,14.146 ; U2.3@13.95,20.65 14.8,20.65
  Top Layer w0.5: C17.2@12.55,22 14.725,22 14.85,21.875 14.85,17.425 14.85,15.388 14.85,13.35 15.375,12.825 v1(15.375,10.9)
  Inner Layer 1 w0.125: 18.25,10.9 v1(21.85,10.9) 30.325,10.9 30.375,10.95 ; v1(24.25,20.525) 24.5,20.525 24.694,20.719 v1(24.725,20.719) ; v1@24.725,20.75 25.125,21.15 v1(26.075,21.15) 26.113,21.113 26.113,20.694 v1(26.15,20.656) ; v1@26.191,20.616 26.7,21.125 v1(27.875,21.125) 28.875,21.125 v1(29.25,20.75) ; v1(29.25,19.95) 30.325,19.95 v1(30.375,20) 30.375,21.275 30.85,21.75 v1(33,21.75) 33.466,21.284 39.736,21.284 39.877,21.425 v1(42.175,21.425) 50.325,21.425 50.55,21.65 53.425,21.65 v1(53.5,21.725) ; v1(30.425,11.7) 30.375,11.65 30.375,10.95 ; v1(30.65,5.6) 30.65,6 31,6.35 31,8.475 30.375,9.1 30.375,10.95 ; v1(49.75,27.534) 49.823,27.534 49.964,27.675 53.57,27.675 53.711,27.535 v1(53.784,27.535) ; v1@53.5,21.7 v1(54,21.7) v1(54.5,21.7) 55.425,21.7 56.45,20.675 63.15,20.675 64.09,19.735 66.75,19.735 66.94,19.925 v1(75.925,19.925)
  Inner Layer 1 w0.5: v1(15.375,10.9) 18.25,10.9
  Bottom Layer w0.125: J6.1@32,20.75 v1(32,21.8) ; J6.2@32.5,20.75 v1(32.5,21.85) ; J6.3@33,20.75 v1(33,21.75) ; J8.1@53.5,20.65 v1(53.5,21.725) ; J8.2@54,20.65 v1(54,21.7) ; J8.3@54.5,20.65 v1(54.5,21.7)
  other v1: 29.95,11.7 30.9,11.7 82,13.75 82.75,13.75 82,14.75 82.75,14.75 82,15.75 82.75,15.75 82,16.75 82.75,16.75 82,17.75 82.75,17.75 75.304,19.405 75.464,19.928 31,20.025 30.675,20.325 31.225,20.375 30.225,20.45
2485_PGOOD: J1.37 Q2.1 | length 21.3
  Top Layer w0.125: Q2.1@52.61,27 52.61,26.544 52.675,26.479 v1(52.675,26.09) ; v1(64.017,25.656) 64.225,25.448 64.225,18.464 64.939,17.75 J1.37@65.495,17.75
  Bottom Layer w0.125: v1(52.675,26.09) 63.583,26.09 v1(64.017,25.656)
2485_WAKEUP: J1.41 R6.2 | length 1.6
  Top Layer w0.125: J1.41@65.495,16.95 66.75,16.95 R6.2@67,16.7
BNO08x_BOOTN_1V8: J7.42 R43.1 TP28.1 U12.4 | length 77.2
  Top Layer w0.125: J7.42@25.42,13.95 26.4,13.95 26.625,14.175 26.625,16.787 27.166,17.328 27.166,18.729 26.975,18.919 26.975,20.392 26.859,20.508 v1(26.859,23.25) ; TP28.1@79.925,27.6 80.139,27.6 81.021,26.717 R43.1@81.832,26.717 82.148,26.402 U12.4@82.148,25.437 82.148,25.12 82.009,24.982 82.009,22.842 82.125,22.726 v1(82.125,22.65)
  Inner Layer 1 w0.125: v1(39.5,24.875) 40.15,24.875 40.463,24.562 40.987,24.562 41.3,24.875 v1(50.55,24.875)
  Bottom Layer w0.125: v1(26.859,23.25) 26.88,23.25 27.073,23.057 27.541,23.057 27.785,23.3 30.15,23.3 30.212,23.363 34.647,23.363 36.309,25.025 39.286,25.025 39.436,24.875 v1(39.5,24.875) ; v1(50.55,24.875) 50.659,24.766 51.547,24.766 52.087,24.225 59.734,24.225 59.85,24.34 61.109,24.34 61.2,24.25 65.402,24.25 66.269,25.117 66.269,25.746 66.573,26.05 66.587,26.05 66.628,26.09 67.459,26.09 71.49,22.059 76.672,22.059 77.263,22.65 v1(82.125,22.65)
BNO08x_CIPO_1V8: J1.64 U12.20 | length 26.2
  Top Layer w0.125: J1.64@62.415,12.55 64.125,12.55 64.792,13.217 v1(64.792,14.578) ; v1(83.875,20.05) 83.875,20.789 U12.20@83.96,20.874
  Inner Layer 2 w0.125: v1(64.792,14.578) 68.653,14.578 70.25,16.175 72.025,16.175 74.137,18.287 76.262,18.287 76.763,18.787 82.612,18.787 v1(83.875,20.05)
BNO08x_COPI_1V8: J1.62 U12.17 | length 24.6
  Top Layer w0.125: J1.62@62.415,12.95 63.85,12.95 64.376,13.476 64.376,14.75 64.68,15.054 64.68,15.28 v1(64.718,15.318) ; v1(82,19.4) 82.148,19.548 U12.17@82.148,20.812
  Inner Layer 2 w0.125: v1(64.718,15.318) 65.85,16.45 68.336,16.45 69.65,17.764 73.225,17.764 74.023,18.562 75.962,18.562 76.8,19.4 v1(82,19.4)
BNO08x_CS_1V8: J1.60 U12.18 | length 24.9
  Top Layer w0.125: J1.60@62.415,13.35 63.6,13.35 64.101,13.851 64.101,14.864 64.303,15.065 64.303,15.542 64.322,15.562 64.322,15.702 v1(64.376,15.756) ; U12.18@82.648,20.812 82.674,20.786 82.674,19.901 v1(82.7,19.875)
  Inner Layer 2 w0.125: v1(64.376,15.756) 64.431,15.756 65.9,17.225 67.125,17.225 67.939,18.039 73.111,18.039 73.909,18.837 75.737,18.837 76.725,19.825 82.65,19.825 v1(82.7,19.875)
BNO08x_INT_1V8: J1.69 U12.14 | length 38.9
  Top Layer w0.125: J1.69@65.495,11.35 66.1,11.35 67.25,12.5 v1(67.25,13.35) ; U12.14@80.835,21.374 81.374,21.374 v1(81.6,21.6) ; v1(88.425,15.35) v1(88.425,20.975)
  Inner Layer 2 w0.125: v1(67.25,13.35) 70.74,13.35 70.78,13.309 74.61,13.309 75.325,14.025 76.4,14.025 76.65,13.775 78.188,13.775 79.747,15.334 88.409,15.334 v1(88.425,15.35) ; v1(81.6,21.6) 81.65,21.55 87.85,21.55 v1(88.425,20.975)
BNO08x_RSTn_1V8: J7.44 TP29.1 U12.11 | length 69.2
  Top Layer w0.125: J7.44@25.42,13.55 26.45,13.55 26.95,14.05 26.95,16.201 27.441,16.691 27.441,18.842 27.285,18.998 27.285,20.627 27.369,20.711 v1(27.369,23.472) ; v1(77.462,23.138) 78.212,23.138 TP29.1@78.4,23.325 78.851,22.874 U12.11@80.835,22.874
  Inner Layer 1 w0.125: v1(39.825,25.425) 40.404,25.425 40.405,25.423 40.777,25.423 40.791,25.409 50.613,25.409 v1(50.629,25.425)
  Bottom Layer w0.125: v1(27.369,23.472) 27.418,23.472 27.583,23.638 34.533,23.638 36.32,25.425 v1(39.825,25.425) ; v1(50.629,25.425) 50.705,25.425 50.83,25.3 60.539,25.3 61.304,24.535 65.297,24.535 65.994,25.231 65.994,25.933 66.427,26.365 67.573,26.365 71.214,22.725 75.389,22.725 75.801,23.138 v1(77.462,23.138)
BNO08x_SCK_1V8: J1.74 U12.19 | length 26.9
  Top Layer w0.125: J1.74@62.415,10.55 62.442,10.577 62.703,10.577 62.773,10.648 62.853,10.648 63.076,10.87 63.076,10.877 63.774,11.575 v1(63.825,11.575) ; U12.19@83.148,20.812 83.148,19.727 v1(83.65,19.225)